# Altium PCB WIoT-QC01_V100.PcbDoc
Units mm, origin at the board's own origin, x right, y up, seen from the top; angles counter-clockwise.
Board outline 36 x 54 mm, 4 copper layers (Top Layer, Signal Layer 1, Internal Plane 1, Bottom Layer), stack 0.844 mm thick; 96 components, 79 nets, 370 pads, 448 vias.
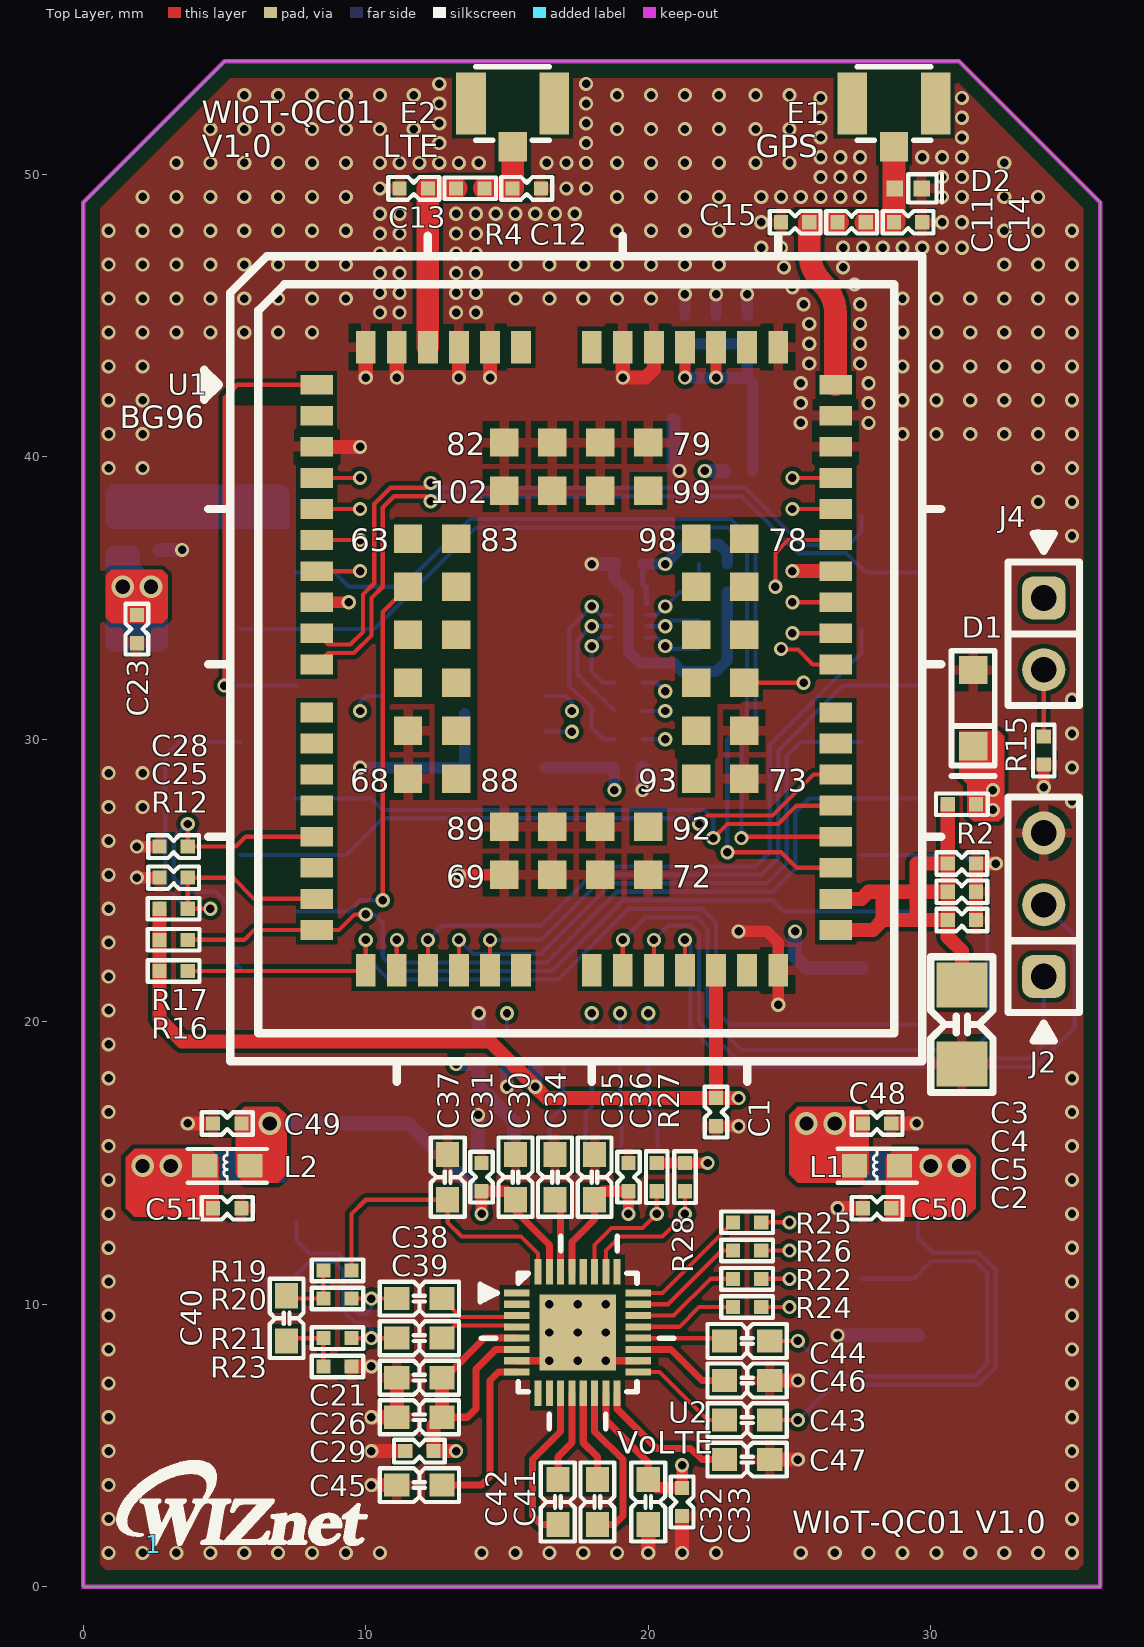
[diagram p0: Top Layer view]
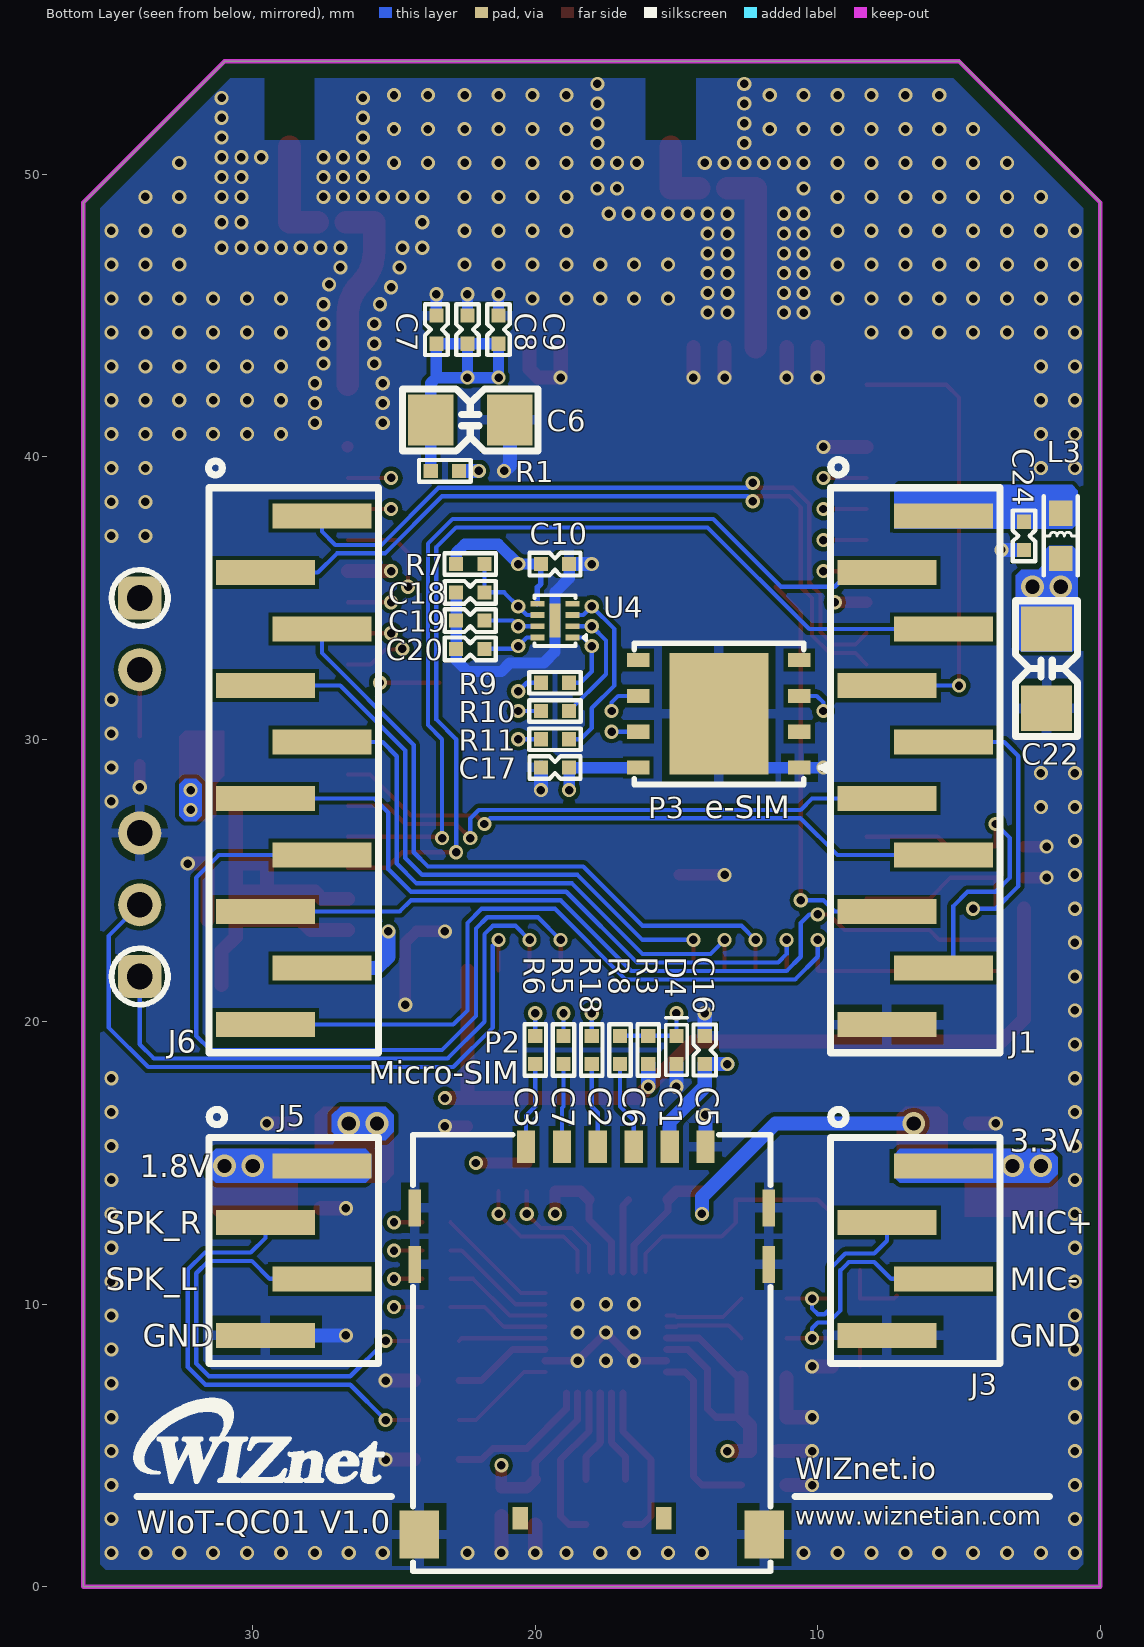
[diagram p1: Bottom Layer view, seen from below]
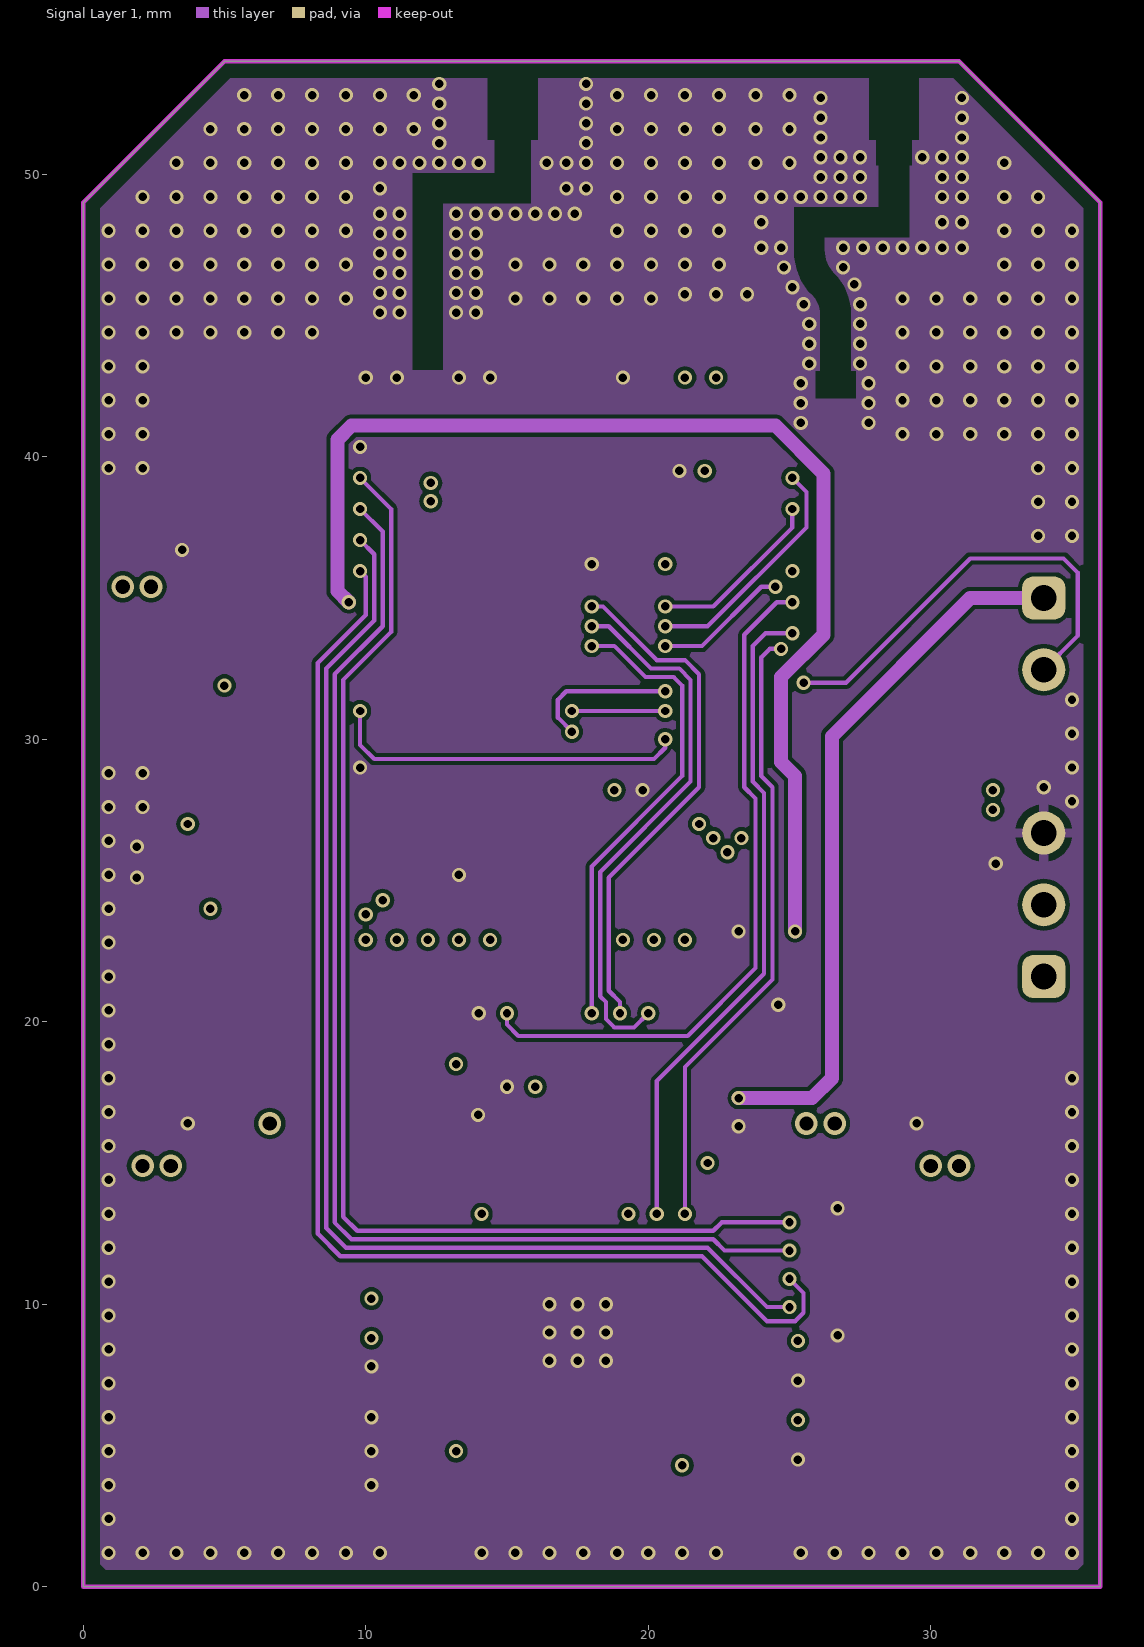
[diagram p2: Signal Layer 1]
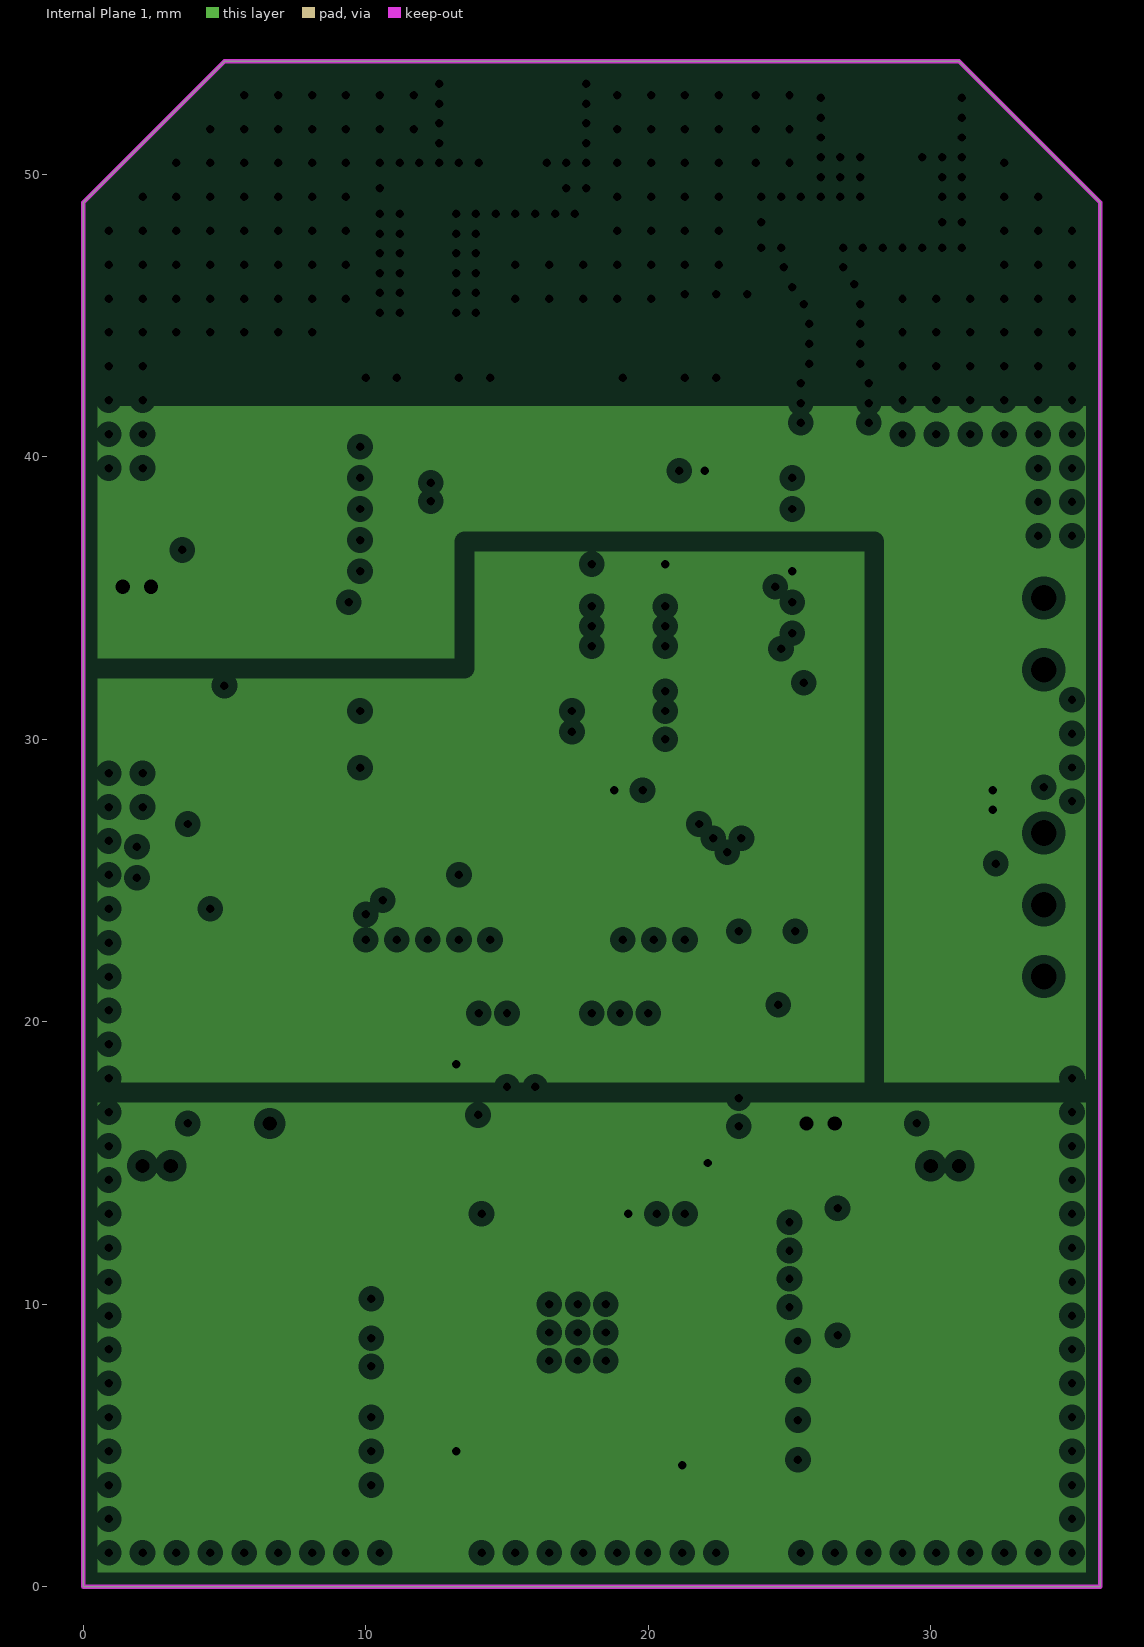
[diagram p3: Internal Plane 1, clearances drawn from the general rule]
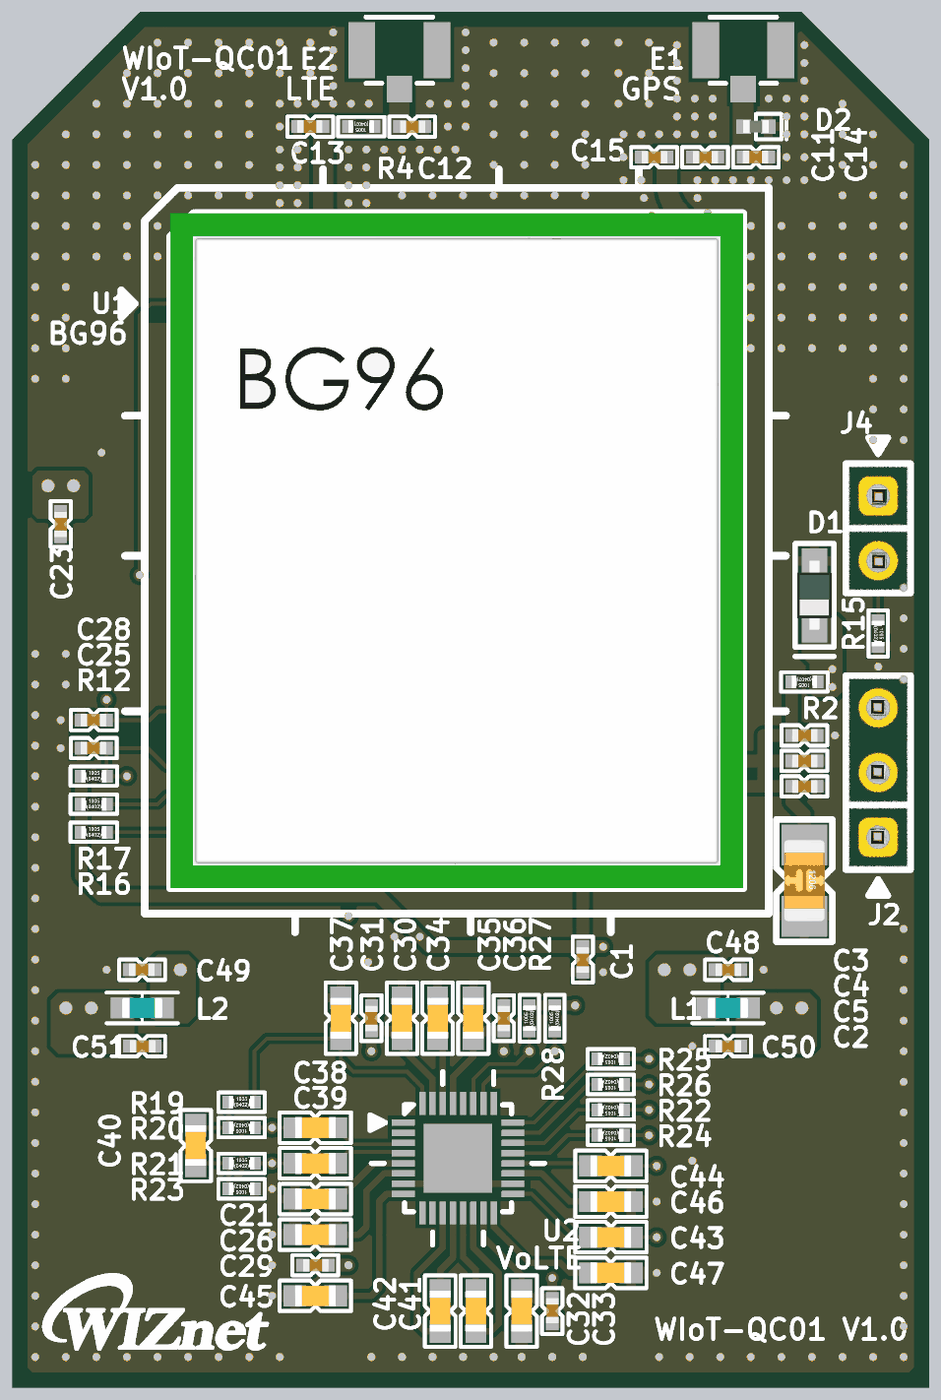
[diagram p4: 3D render of the assembled board from above, using the file's embedded part models]
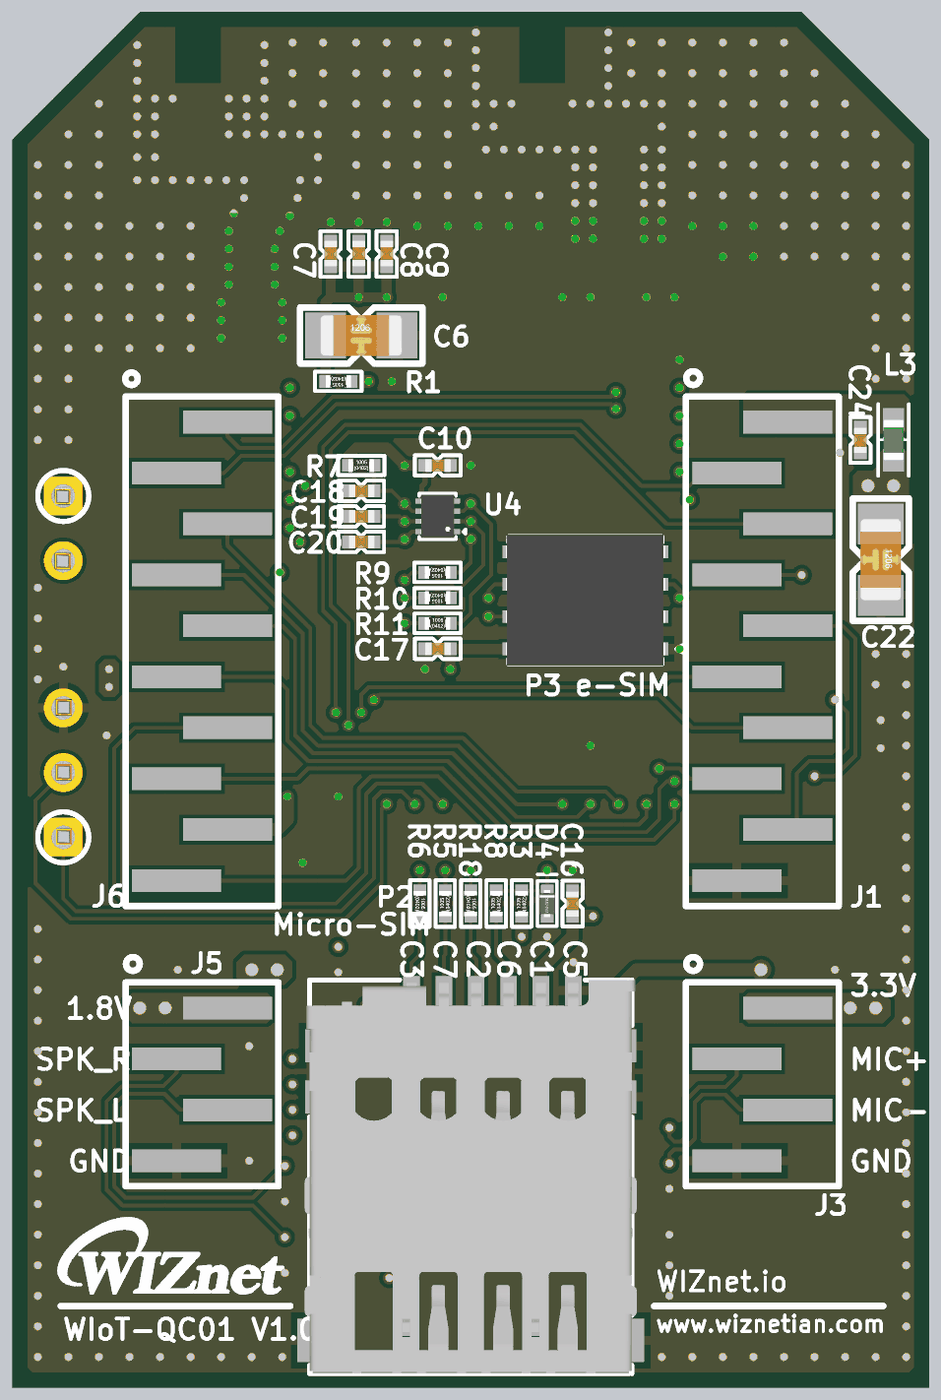
[diagram p5: 3D render of the assembled board from below, using the file's embedded part models]

## Layer stack, top to bottom
Top Solder: solder mask 0.0102, Solder Resist, Dk 3.5
Top Layer: signal copper 0.0356
Dielectric1: core 0.32, FR-4, Dk 4.8
Signal Layer 1: signal copper 0.036
Dielectric 7: prepreg 0.127, Dk 4.2
Internal Plane 1: plane copper 0.0356, net (Multiple Nets)
Dielectric5: core 0.254, FR-4, Dk 4.2
Bottom Layer: signal copper 0.0356
Bottom Solder: solder mask 0.0102, Solder Resist, Dk 3.5

## Board outline
0,0 0,49 5,54 31,54 36,49 36,0

## Design rules (kind name [scope] priority, off if disabled: settings)
Clearance [All] p1: gap=0.15
DiffPairsRouting [All] p1: maxlimit=0.15 minlimit=0.15 mostfreqgap=0.15 toplayer_minwidth=0.15 toplayer_maxwidth=0.15 toplayer_prefwidth=0.15 midlayer1_minwidth=0.15 midlayer1_maxwidth=0.15 midlayer1_prefwidth=0.15 bottomlayer_minwidth=0.15 bottomlayer_maxwidth=0.15 bottomlayer_prefwidth=0.15 maxuncoupledlength=15.24
HoleSize [All] p1: absolutevalues=TRUE maxlimit=4.064 minlimit=0.025 maxpercent=80.000 minpercent=20.000
PlaneClearance [All] p1: clearance=0.305
PlaneConnect [All] p1: planeconnectstyle=Direct reliefexpansion=0.508 reliefentries=4 reliefconductorwidth=0.254 reliefairgap=0.254
PolygonConnect PolygonConnect_2 [IsPad vs IsNamedPolygon('Top Layer-gnd')] p1: connectstyle=Relief reliefconductorwidth=0.35 reliefentries=4 polygonreliefangle="90 Angle" airgapwidth=0.25
PolygonConnect PolygonConnect_1 [IsVia] p2: connectstyle=Direct reliefconductorwidth=0.254 reliefentries=4 polygonreliefangle="90 Angle" airgapwidth=0.254
PolygonConnect [All] p3: connectstyle=Direct reliefconductorwidth=0.254 reliefentries=4 polygonreliefangle="90 Angle" airgapwidth=0.254
RoutingVias [All] p1: holewidth=0.3 width=0.5 viastyle="Through Hole" minholewidth=0.3 minwidth=0.5 maxholewidth=0.5 maxwidth=0.8
SolderMaskExpansion [All] p1: expansion=0
Width [All] p1: maxlimit=2.54 minlimit=0.102 preferedwidth=0.152
26 further rules are at their usual default settings.

## Classes and differential pairs
component class 1.WIZ750JR_W7500: LD2
differential pair NewDifferentialPair3: +MIC- -MIC+

## Components (designator, comment, footprint, x,y, rotation, side; value= is the part's Value field where it differs from the comment)
1 "Comment" LOGO-WIZNET(SMALL) 2.5,1.5 r0 top
C1 "100nF" CAP-0402 22.4,16.8 r270 top
C2 "10uF" CAP-1206 31.1,19.9 r270 top
C3 "100nF" CAP-0402 31.1,25.6 r0 top
C4 "33pF" CAP-0402 31.1,24.6 r0 top
C5 "10pF" CAP-0402 31.1,23.6 r0 top
C6 "10uF" CAP-1206 22.3,41.3 r180 bottom
C7 "100nF" CAP-0402 23.5,44.5 r90 bottom
C8 "33pF" CAP-0402 22.4,44.5 r90 bottom
C9 "10pF" CAP-0402 21.3,44.5 r90 bottom
C10 "100nF" CAP-0402 19.3,36.2 r180 bottom
C11 "100pF" CAP-0402 27.2,48.3 r0 top
C12 "NM" CAP-0402 15.7,49.5 r0 top
C13 "NM" CAP-0402 11.7,49.5 r180 top
C14 "NM" CAP-0402 29.2,48.3 r180 top
C15 "NM" CAP-0402 25.2,48.3 r0 top
C16 "100nF" CAP-0402 14,19 r270 bottom
C17 "NM" CAP-0402 19.3,29 r180 bottom
C18 "33pF" CAP-0402 22.3,35.2 r180 bottom
C19 "33pF" CAP-0402 22.3,34.2 r180 bottom
C20 "33pF" CAP-0402 22.3,33.2 r180 bottom
C21 "4.7uF" CAP-0603 11.9,7.4 r0 top
C22 "4.7uF" CAP-1206 1.9,32.5 r270 bottom
C23 "100nF" CAP-0402 1.9,33.9 r270 top
C24 "100nF" CAP-0402 2.7,37.2 r270 bottom
C25 "100nF" CAP-0402 3.2,25.1 r180 top
C26 "4.7uF" CAP-0603 11.9,6 r0 top
C28 "100nF" CAP-0402 3.2,26.2 r180 top
C29 "100nF" CAP-0402 11.9,4.8 r0 top
C30 "4.7uF" CAP-0603 15.3,14.5 r270 top
C31 "100nF" CAP-0402 14.1,14.5 r270 top
C32 "4.7uF" CAP-0603 20,3 r90 top
C33 "100nF" CAP-0402 21.2,3 r90 top
C34 "2.2uF" CAP-0603 16.7,14.5 r270 top
C35 "2.2uF" CAP-0603 18.1,14.5 r270 top
C36 "100nF" CAP-0402 19.3,14.5 r270 top
C37 "4.7uF" CAP-0603 12.9,14.5 r270 top
C38 "2.2uF" CAP-0603 11.9,10.2 r0 top
C39 "2.2uF" CAP-0603 11.9,8.8 r0 top
C40 "10uF" CAP-0603 7.2,9.5 r90 top
C41 "2.2uF" CAP-0603 18.2,3 r90 top
C42 "2.2uF" CAP-0603 16.8,3 r270 top
C43 "1uF" CAP-0603 23.5,5.9 r0 top
C44 "1uF" CAP-0603 23.5,8.7 r0 top
C45 "4.7uF" CAP-0603 11.9,3.6 r0 top
C46 "2.2uF" CAP-0603 23.5,7.3 r180 top
C47 "2.2uF" CAP-0603 23.5,4.5 r180 top
C48 "100nF" CAP-0402 28.1,16.4 r0 top
C49 "100nF" CAP-0402 5.1,16.4 r180 top
C50 "100nF" CAP-0402 28.1,13.4 r0 top
C51 "100nF" CAP-0402 5.1,13.4 r0 top
D1 "PZ3D4V2H" SOD-323 31.5,31.1 r270 top
D2 "LXES15AAA1-133" D0402 29.2,49.5 r0 top
D4 "ESD9X5.0ST5G" SOD-923(1-C,2-A) 15,19 r90 bottom
E1 "GNSS Antenna" BNC-CMJ-S01-501 28.7,52.5 r270 top locked
E2 "Antenna" BNC-CMJ-S01-501 15.2,52.5 r270 top locked
J1 "2.00mm Xbee_pin-header" "QUECTEL CAT M1" 5.552,37.9 r180 bottom locked
J2 "2.54mm 1x3 Pin Header DIP" IDC-1X3 34,21.6 r90 top
J3 "2.00mm 1x4 Pin Header DIP" IDC(SMD)-1X4(2MM) 5.552,14.9 r180 bottom locked
J4 "2.54mm 1x2 Pin Header DIP" IDC-1X2 34,35 r270 top
J5 "2.00mm 1x4 Pin Header DIP" IDC(SMD)-1X4(2MM) 27.552,14.9 r180 bottom locked
L1 "HH-1M1608-121JT" IND-0603 28.1,14.9 r180 top
L2 "HH-1M1608-121JT" IND-0603 5.1,14.9 r180 top
L3 "HH-1M1608-121JT" IND-0603 1.4,37.2 r90 bottom
P2 "Micro SIM" MOLEX-SD-78646-001 18,0.55 r270 bottom locked
P3 "e-SIM" MFF2(1.27/5X6) 13.5,30.9 r0 bottom locked
R1 "0R" RES-0402 23.2,39.5 r0 bottom
R2 "0R" RES-0402 31.1,27.7 r180 top
R3 "51K" RES-0402 16,19 r90 bottom
R4 "0R" RES-0402 13.7,49.5 r180 top
R5 "0R" RES-0402 19,19 r90 bottom
R6 "0R" RES-0402 20,19 r270 bottom
R7 "15k" RES-0402 22.3,36.2 r180 bottom
R8 "0R" RES-0402 17,19 r90 bottom
R9 "NM" RES-0402 19.3,32 r0 bottom
R10 "NM" RES-0402 19.3,31 r0 bottom
R11 "NM" RES-0402 19.3,30 r180 bottom
R12 "4.7K" RES-0402 3.2,24 r0 top
R15 "4.7K" RES-0402 34,29.6 r270 top
R16 "4.7K" RES-0402 3.2,21.8 r0 top
R17 "4.7K" RES-0402 3.2,22.9 r0 top
R18 "0R" RES-0402 18,19 r270 bottom
R19 "1k" RES-0402 9,11.2 r0 top
R20 "1.5k" RES-0402 9,10.2 r180 top
R21 "1.5k" RES-0402 9,8.8 r0 top
R22 "0R" RES-0402 23.5,10.9 r180 top
R23 "1k" RES-0402 9,7.8 r180 top
R24 "0R" RES-0402 23.5,9.9 r180 top
R25 "0R" RES-0402 23.5,12.9 r180 top
R26 "0R" RES-0402 23.5,11.9 r180 top
R27 "4.7k" RES-0402 20.3,14.5 r90 top
R28 "4.7k" RES-0402 21.3,14.5 r90 top
U1 "BG96" BG-96 17.45,32.85 r0 top locked
U2 "ALC5616" QFN32(0.4/4X4) 17.5,9 r0 top locked
U4 "TPD3F303DQDR" PWSON08(0.4/1.45X1.8) 19.3,34.2 r0 bottom
? "Comment" LOGO-WIZNET(SMALL) 32.9,3.7 r180 bottom

## Footprints (in the part's own frame and the unit in brackets; to place one, negate y for a bottom-side part, rotate by r counter-clockwise, add the part's x,y. Pads: shape width x height; smd on the part's side, far side on the other; paste and mask are expansions set on the pad)
BG-96 [mm]
  rect 1.15x0.7 smd: 1(-9.18,9.7) 2(-9.18,8.6) 3(-9.18,7.5) 4(-9.18,6.4) 5(-9.18,5.3) 6(-9.18,4.2) 7(-9.18,3.1) 8(-9.18,2) 9(-9.18,0.9) 10(-9.18,-0.2) 11(-9.18,-1.9) 12(-9.18,-3) 13(-9.18,-4.1) 14(-9.18,-5.2) 15(-9.18,-6.3) 16(-9.18,-7.4) 17(-9.18,-8.5) 18(-9.18,-9.6) 32(9.18,-9.6) 33(9.18,-8.5) 34(9.18,-7.4) 35(9.18,-6.3) 36(9.18,-5.2) 37(9.18,-4.1) 38(9.18,-3) 39(9.18,-1.9) 40(9.18,-0.2) 41(9.18,0.9) 42(9.18,2) 43(9.18,3.1) 44(9.18,4.2) 45(9.18,5.3) 46(9.18,6.4) 47(9.18,7.5) 48(9.18,8.6) 49(9.18,9.7)
  rect 0.7x1.15 smd: 19(-7.45,-11.03) 20(-6.35,-11.03) 21(-5.25,-11.03) 22(-4.15,-11.03) 23(-3.05,-11.03) 24(-1.95,-11.03) 25(0.55,-11.03) 26(1.65,-11.03) 27(2.75,-11.03) 28(3.85,-11.03) 29(4.95,-11.03) 30(6.05,-11.03) 31(7.15,-11.03) 50(7.15,11.03) 51(6.05,11.03) 52(4.95,11.03) 53(3.85,11.03) 54(2.75,11.03) 55(1.65,11.03) 56(0.55,11.03) 57(-1.95,11.03) 58(-3.05,11.03) 59(-4.15,11.03) 60(-5.25,11.03) 61(-6.35,11.03) 62(-7.45,11.03)
  rect 1x1 smd: 63(-5.95,4.25) 64(-5.95,2.55) 65(-5.95,0.85) 66(-5.95,-0.85) 67(-5.95,-2.55) 68(-5.95,-4.25) 69(-2.55,-7.65) 70(-0.85,-7.65) 71(0.85,-7.65) 72(2.55,-7.65) 73(5.95,-4.25) 74(5.95,-2.55) 75(5.95,-0.85) 76(5.95,0.85) 77(5.95,2.55) 78(5.95,4.25) 79(2.55,7.65) 80(0.85,7.65) 81(-0.85,7.65) 82(-2.55,7.65) 83(-4.25,4.25) 84(-4.25,2.55) 85(-4.25,0.85) 86(-4.25,-0.85) 87(-4.25,-2.55) 88(-4.25,-4.25) 89(-2.55,-5.95) 90(-0.85,-5.95) 91(0.85,-5.95) 92(2.55,-5.95) 93(4.25,-4.25) 94(4.25,-2.55) 95(4.25,-0.85) 96(4.25,0.85) 97(4.25,2.55) 98(4.25,4.25) 99(2.55,5.95) 100(0.85,5.95) 101(-0.85,5.95) 102(-2.55,5.95)
  silkscreen extent -13.17,-14.98 12.93,14.98, body extent -11.25,-13.25 11.25,13.25, height 2.39
BNC-CMJ-S01-501 [mm]
  rect 1.05x1 smd: 1(1.525,0)
  rect 2.2x1.05 smd: 2(0,1.475) 3(0,-1.475)
  silkscreen extent -1.3,-1.3 1.3,1.3
CAP-0402 [mm]
  rect 0.5x0.5 smd: 1(-0.5,0) 2(0.5,0)
  silkscreen extent -0.9,-0.4 0.9,0.4, body extent -0.48,-0.25 0.52,0.25, height 0.6
CAP-0603 [mm] "Ceramic CAP 0603(1608)"
  rect 0.89x0.82 smd: 1(-0.8,0) 2(0.8,0)
  silkscreen extent -1.4,-0.6 1.4,0.6, body extent -0.93,-0.41 0.93,0.41, height 0.81
CAP-1206 [mm]
  rect 1.6x1.8 smd: 1(-1.4,0) 2(1.4,0)
  silkscreen extent -2.4,-1.1 2.4,1.1, body extent -1.6,-0.8 1.6,0.8, height 1
D0402 [mm]
  rect 0.58x0.56 smd: 1(-0.48,0) 2(0.48,0)
  silkscreen extent 0,-0.5 1.2,0.5, body extent -0.5,-0.25 0.5,0.25, height 0.25
IDC(SMD)-1X4(2MM) [mm]
  rect 3.5x0.89 smd: 1(0,0) 2(-2,-2) 3(0,-4) 4(-2,-6)
  silkscreen extent -4,-7 2,2
IDC-1X2 [mil]
  rrect50% 60x60 hole 36: 1(0,0)
  round 60 hole 36: 2(100,0)
  silkscreen extent -90,-50 150,50, body extent -49,-49 151,51, height 336
IDC-1X3 [mil]
  rrect50% 60x60 hole 36: 1(0,0)
  round 60 hole 36: 2(100,0) 3(200,0)
  silkscreen extent -90,-50 250,50, body extent -49,-49 251,51, height 336
IND-0603 [mm] "Inductor 0603(1608)"
  rect 0.89x0.82 smd: 1(-0.8,0) 2(0.8,0)
  Top Layer pour cut-out: -0.254,0.508 -0.254,-0.508 0.254,-0.508 0.254,0.508
  silkscreen extent -1.4,-0.6 1.4,0.6, body extent -0.8,-0.4 0.8,0.4, height 0.95
LOGO-WIZNET(SMALL) [mm]
  silkscreen extent -1.27,0 7.52,2.93
MFF2(1.27/5X6) [mm] "VDFPN08"
  rect 0.8x0.5 smd: 1(-2.85,1.905) 2(-2.85,0.635) 3(-2.85,-0.635) 4(-2.85,-1.905) 5(2.85,-1.905) 6(2.85,-0.635) 7(2.85,0.635) 8(2.85,1.905)
  rect 3.5x4.3 smd: 9(0,0)
  silkscreen extent -3.9,-2.5 3,2.5, body extent -3.13,-2.57 3.12,2.58, height 0.94
MOLEX-SD-78646-001 [mm]
  rect 0.8x0.54 smd: 0(-1.88,-2.535) 0(-1.88,2.545)
  rect 1.15x0.65 smd: C1(-15.03,2.755) C2(-15.03,0.215) C3(-15.03,-2.325) C5(-15.03,4.025) C6(-15.03,1.485) C7(-15.03,-1.055)